# Altium PCB LKS_EVB_MVPOWPRE_V5.0.PcbDoc (part 1 of 2)
Units mil, origin at the board's own origin, x right, y up, seen from the top; angles counter-clockwise.
Board outline 11300 x 7874.02 mil, 2 copper layers (Top Layer, Bottom Layer); 150 components, 96 nets, 404 pads, 334 vias.
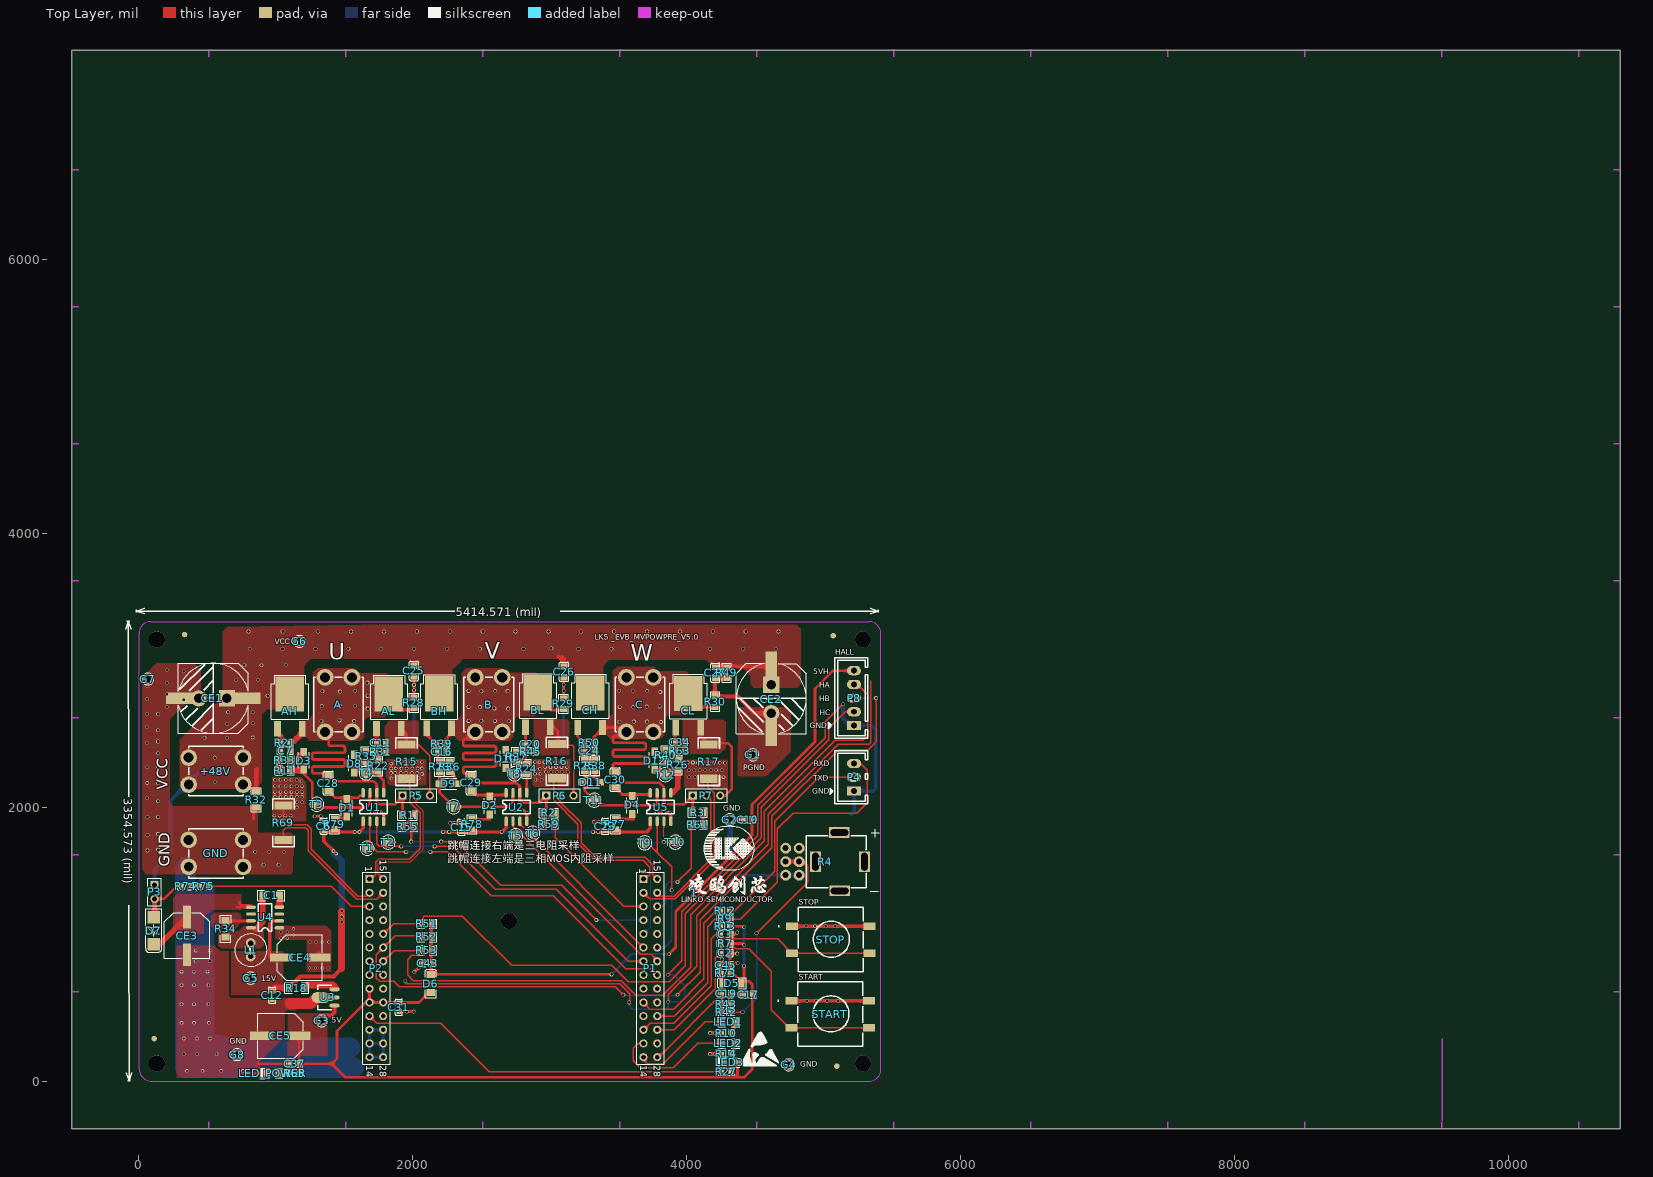
[diagram p0: Top Layer view]
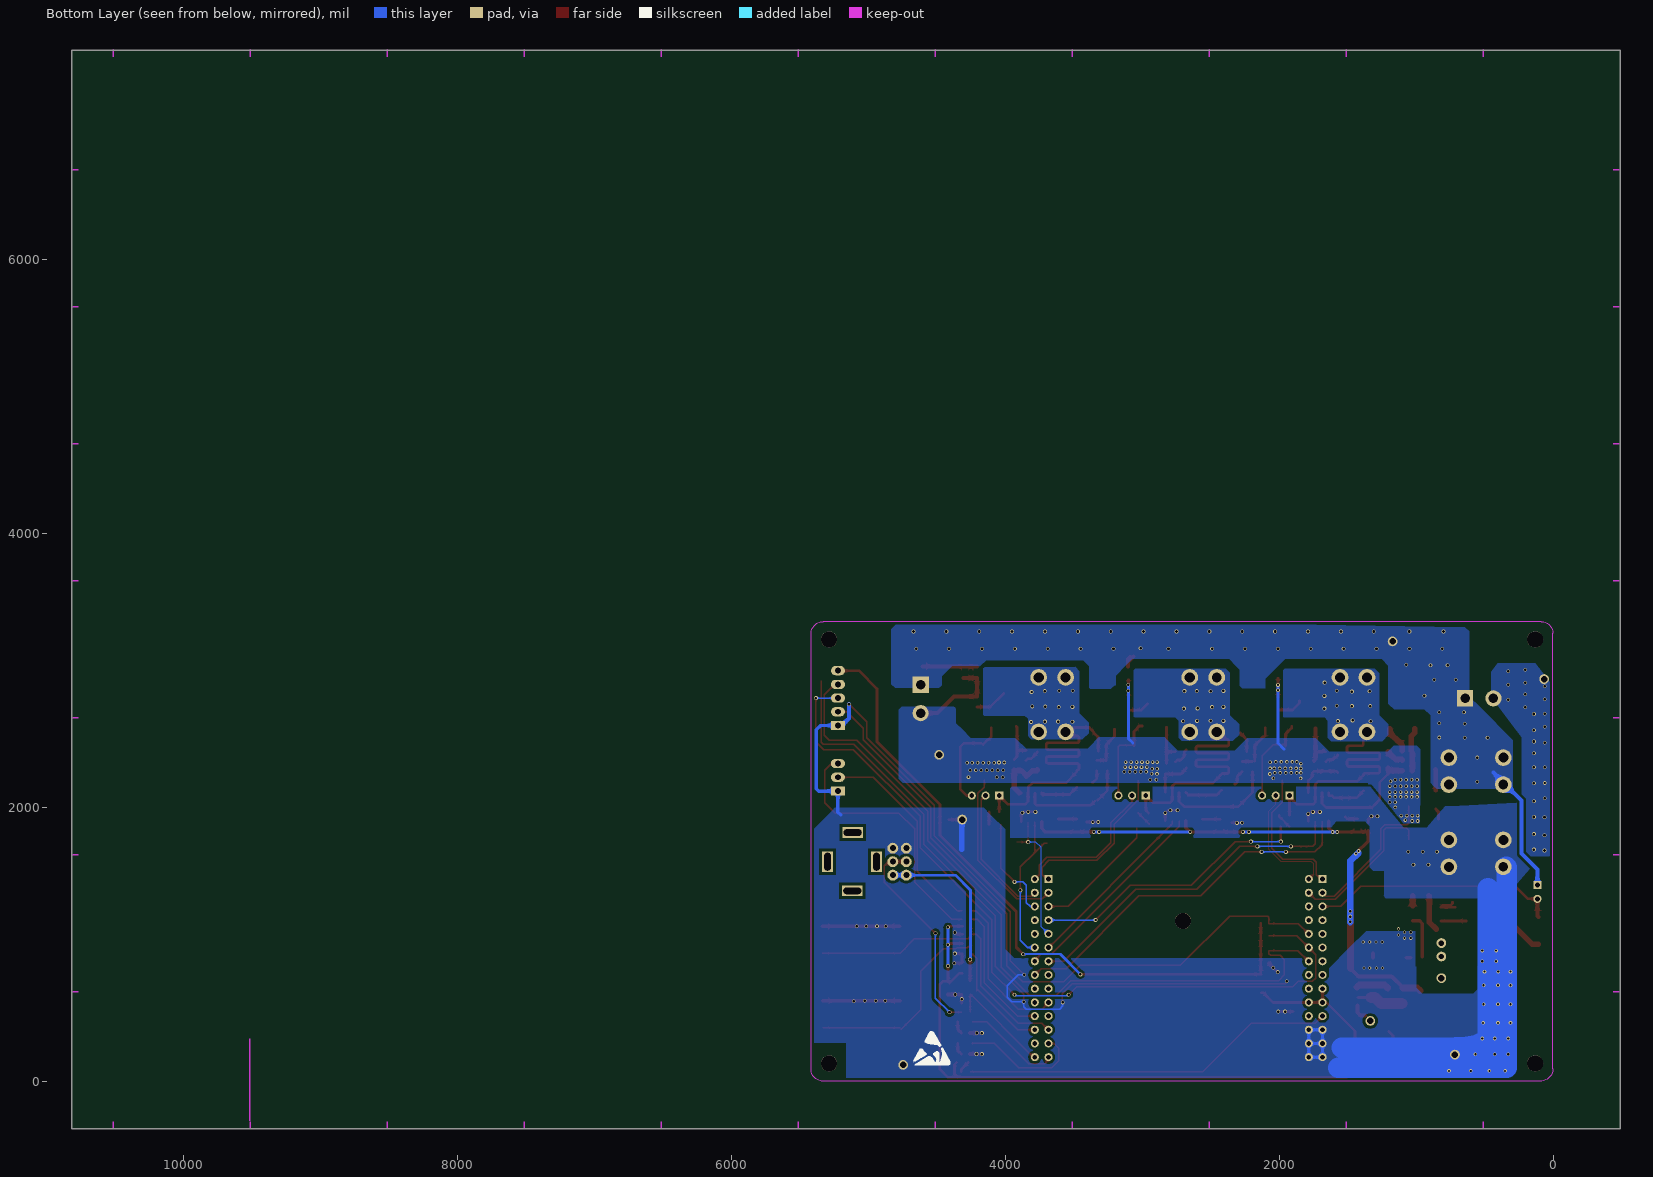
[diagram p1: Bottom Layer view, seen from below]
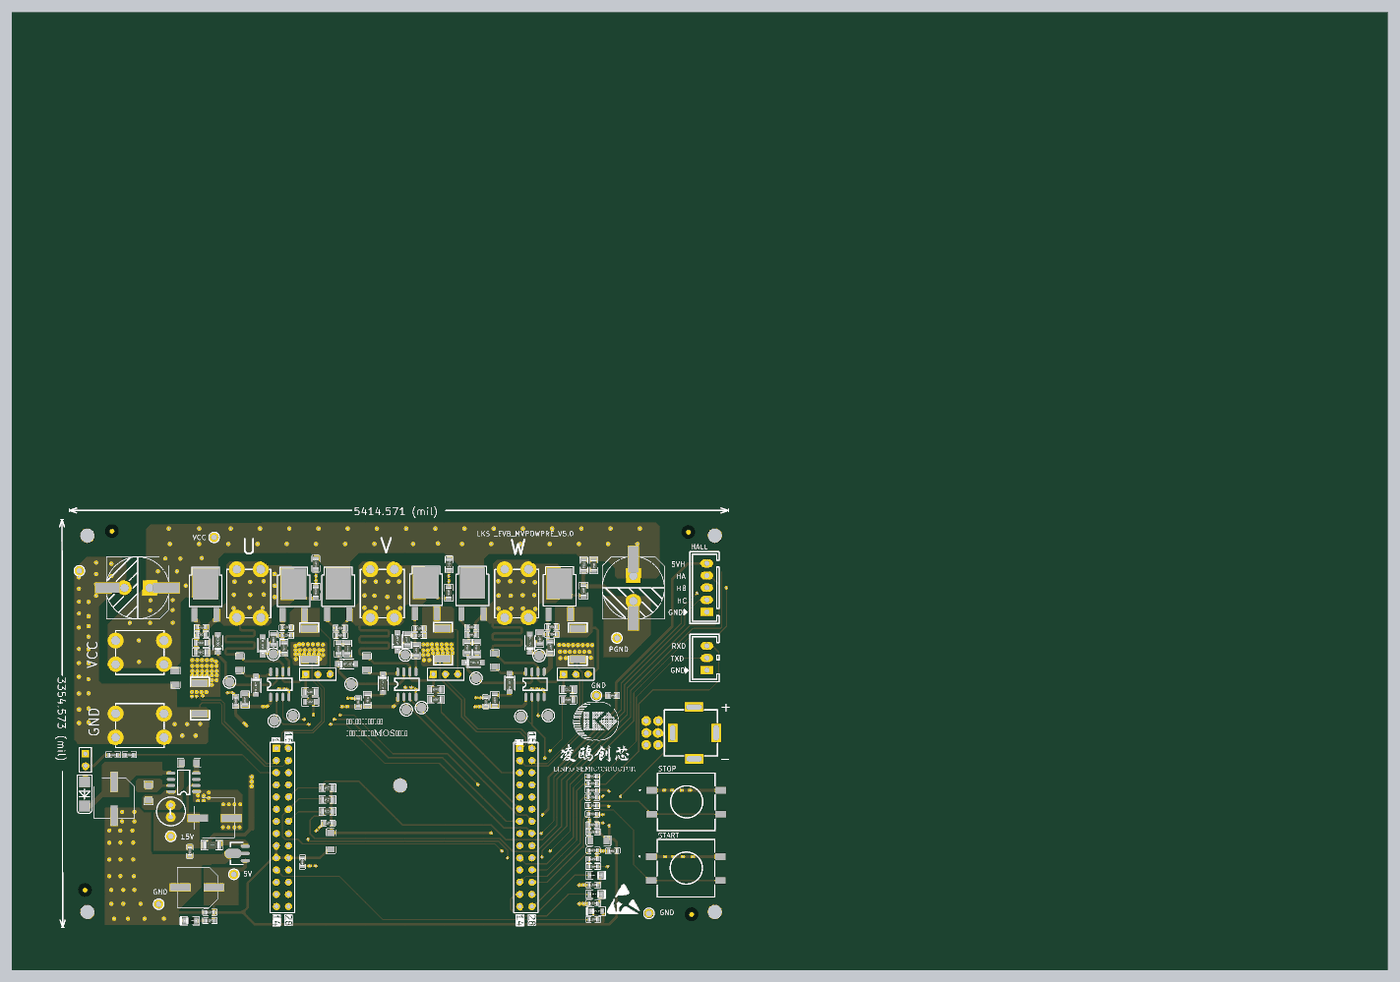
[diagram p3: 3D render of the assembled board from above, using the file's embedded part models]

## Layer stack, top to bottom
Top Solder: solder mask 0.4, Solder Resist, Dk 3.5
Top Layer: signal copper 1.4
Dielectric1: dielectric 12.6, FR-4, Dk 4.8
Bottom Layer: signal copper 1.4
Bottom Solder: solder mask 0.4, Solder Resist, Dk 3.5

## Board outline
-489.2,7526.27 10810.8,7526.27 10810.8,-347.74 -489.2,-347.74

## Design rules (kind name [scope] priority, off if disabled: settings)
Clearance [InPolygon] p1: gap=20 ignorepadtopadclearanceinfootprint=FALSE except(0: Arc-Hole Track-Hole SMDPad-Hole THPad-Hole Via-Hole Fill-Hole Poly-Hole Region-Hole Text-Hole)
Clearance Clearance_48V [InNet('+48V')] p2: gap=30 ignorepadtopadclearanceinfootprint=FALSE except(0: Arc-Hole Track-Hole SMDPad-Hole THPad-Hole Via-Hole Fill-Hole Poly-Hole Region-Hole Text-Hole)
Clearance Clearance_4 [InNet('PGND')] p3 off: gap=20 ignorepadtopadclearanceinfootprint=FALSE except(0: Arc-Hole Track-Hole SMDPad-Hole THPad-Hole Via-Hole Fill-Hole Poly-Hole Region-Hole Text-Hole)
Clearance Clearance_5V [InNet('+5V')] p4 off: gap=20 ignorepadtopadclearanceinfootprint=FALSE except(0: Arc-Hole Track-Hole SMDPad-Hole THPad-Hole Via-Hole Fill-Hole Poly-Hole Region-Hole Text-Hole)
Clearance Clearance_15V [InNet('+15V')] p5: gap=20 ignorepadtopadclearanceinfootprint=FALSE except(0: Arc-Hole Track-Hole SMDPad-Hole THPad-Hole Via-Hole Fill-Hole Poly-Hole Region-Hole Text-Hole)
Clearance Clearance_5 [All] p6: gap=10 ignorepadtopadclearanceinfootprint=FALSE except(0: Arc-Hole Track-Hole SMDPad-Hole THPad-Hole Via-Hole Fill-Hole Poly-Hole Region-Hole Text-Hole)
ComponentClearance [All] p1 off: gap=0 collisioncheckmode=3 verticalgap=0 showdistances=FALSE
FabricationTestpoint [(IsPad And (OnTopLayer Or OnBottomLayer))] p1: side=3 testpointundercomponent=TRUE minsize=40 maxsize=100 preferedsize=60 minholesize=0 maxholesize=40 preferedholesize=32 testpointgrid=1 allowsidetop=TRUE allowsidebottom=TRUE usegrid=TRUE gridtolerance=0.01
HoleSize [All] p1: absolutevalues=TRUE maxlimit=200 minlimit=1 maxpercent=80.000 minpercent=20.000
PlaneConnect [All] p1: planeconnectstyle=Direct reliefexpansion=20 reliefentries=4 reliefconductorwidth=10 reliefairgap=10
PolygonConnect [All] p1: connectstyle=Direct reliefconductorwidth=30 reliefentries=4 polygonreliefangle="90 Angle" airgapwidth=10
RoutingVias [All] p1: holewidth=13.78 width=19.68 viastyle="Through Hole" minholewidth=0 minwidth=19.68 maxholewidth=19.68 maxwidth=39.37
SilkToSolderMaskClearance SilkscreenOverComponentPads [IsPad] p1: minsilkscreentomaskgap=10 clearancetoexposedcopper=TRUE
SolderMaskExpansion [All] p1: expansion=4 istentingtop=FALSE
Width Width_2 [All] p1 off: maxlimit=10 minlimit=10 preferedwidth=10
Width Width_1 [InNet('5V-T')] p2 off: maxlimit=40 minlimit=40 preferedwidth=40
Width Width_VH [InNet('5V1')] p3 off: maxlimit=40 minlimit=40 preferedwidth=40
Width Width_5V [InNet('5V')] p4 off: maxlimit=40 minlimit=40 preferedwidth=40
Width Width_14.3V [InNet('+14.3V')] p5 off: maxlimit=50 minlimit=50 preferedwidth=50
Width Width_15V [InNet('+15V')] p6 off: maxlimit=40 minlimit=40 preferedwidth=40
Width Width_48V [InNet('+48V')] p7 off: maxlimit=40 minlimit=40 preferedwidth=40
Width [All] p8: maxlimit=200 minlimit=1 preferedwidth=40
25 further rules are at their usual default settings.

## Components (designator, comment, footprint, x,y, rotation, side; value= is the part's Value field where it differs from the comment)
1 "LKS_sign" LKS_LOGO2 4052,1375 r0 top
+48V "M4" M4_CONECTOR 362.32,2361.91 r180 top locked
A "M4" M4_CONECTOR 1554.74,2947.17 r90 top
AH "NCE8259AK" TO-252 1100.83,2699.83 r0 top
AL "NCE8259AK" TO-252 1824.46,2700.27 r0 top
B "M4" M4_CONECTOR 2651.89,2947.17 r90 top
BH "NCE8259AK" TO-252 2190.43,2701.83 r0 top
BL "NCE8259AK" TO-252 2911.5,2709.11 r0 top
C "M4" M4_CONECTOR 3754.7,2947.17 r90 top
C1 "1uF/100V" 1206 1025,1355 r180 top value=10uF/100V
C2 "100nF/50V" 0603C 4279.38,935.8 r180 top
C3 "100nF/50V" 0603C 4279,1072.38 r0 top
C6 "100nF/50V" 0603C 1349.35,1861.85 r270 top
C7 "1nF/50V" 0603C 1067.35,2411.48 r0 top
C10 "100nF/10V" 0603C 4443.63,1909.64 r180 top
C11 "1nF/50V" 0603C 1765.67,2469.57 r0 top
C12 "100nF/50V" 0603C 971.91,628.23 r270 top
C15 "100nF/50V" 0603C 2354.32,1854.61 r270 top
C16 "1nF/50V" 0603C 2208.71,2404.53 r0 top
C17 "100nF/50V" 0603C 4447,632.28 r0 top
C19 "100nF/50V" 0603C 4286.37,636.63 r180 top
C20 "1nF/50V" 0603C 2856.37,2461.01 r0 top
C23 "100nF/50V" 0603C 3403.42,1859.96 r270 top
C24 "1nF/50V" 0603C 3287.96,2410.48 r0 top
C25 "100nF/100V" 0805C 2007.32,2994.16 r90 top
C26 "100nF/100V" 0805C 3102.45,2987.49 r90 top
C27 "100nF/100V" 0805C 4208.04,2981.02 r90 top
C28 "10uF/25V" 1206C 1382.65,2175.41 r90 top
C29 "10uF/25V" 1206C 2426.51,2177.17 r90 top
C30 "10uF/25V" 1206C 3477.64,2201.04 r90 top
C31 "100nF/50V" 0603C 1897.23,540.21 r90 top
C34 "1nF/50V" 0603C 3946.98,2474 r0 top
C37 "100nF/50V" 0603C 1136.55,127.54 r0 top
C43 "100nF/50V" 0603C 2109.05,860.11 r0 top value=104
C45 "100nF/50V" 0603C 4281.39,845.92 r180 top value=104
CE1 "220uF/63V" "220UF/63V 12.5*12.5" 643.54,2794.86 r270 top locked
CE2 "220uF/63V" "220UF/63V 12.5*12.5" 4615.51,2894.77 r0 top
CE3 "10UF/100V" "220UF/25V 8*10" 350.56,1061.42 r0 top
CE4 "220uF/25V" "220UF/25V 8*10" 1176,902 r90 top
CE5 "220uF/16V" "220UF/25V 8*10" 1030.55,331.65 r270 top
CH "NCE8259AK" TO-252 3293.7,2707.27 r0 top
CL "NCE8259AK" TO-252 4009.41,2704.65 r0 top
D1 "1N4007/SOD-123" SOD123 1515.74,1995.74 r90 top
D2 "1N4007/SOD-123" SOD123 2558.97,2012.54 r90 top
D3 "1N4007/SOD-123" SOD123 1201.59,2339 r270 top
D4 "1N4007/SOD-123" SOD123 3600.74,2015.98 r90 top
D5 "1N4007" D1206 4263.77,717.72 r0 top
D6 "1N4007" D1206 2131.36,777.78 r270 top
D7 "ES1J" DO-214AC 107.24,1099.38 r270 top
D8 "1N4007/SOD-123" SOD123 1571.43,2317.87 r270 top
D9 "1N4007/SOD-123" SOD123 2258.32,2169.59 r180 top
D10 "1N4007/SOD-123" SOD123 2677.05,2351.93 r270 top
D11 "1N4007/SOD-123" SOD123 3299,2182 r180 top
D12 "1N4007/SOD-123" SOD123 3764.75,2340 r270 top
G1 "PAD1.2" PAD1.2 4480.77,2382.24 r0 top
G2 "PAD1.2" PAD1.2 4312.32,1909.64 r0 top
G3 "PAD1.2" PAD1.2 1333.91,439.87 r0 top
G4 "PAD1.2" PAD1.2 4743.57,118.6 r0 top
G5 "PAD1.2" PAD1.2 815,752.2 r0 top
G6 "PAD1.2" PAD1.2 1171.19,3209.96 r0 top
G7 "PAD1.2" PAD1.2 64.78,2935.27 r0 top
G8 "PAD1.2" PAD1.2 715.92,194.2 r0 top
GND "M4" M4_CONECTOR 362.32,1761.11 r180 top locked
L1 "1mH  6*8" L_DIP_6*8MM 814.94,909.79 r90 top locked
LED1 "LED" SOD323 4300,434 r0 top
LED2 "LED" SOD323 4300,277.89 r0 top
LED3 "LED" SOD323 4314.88,134.7 r180 top
LED_POWER "LED_R" SOD323 978.76,56.48 r180 top
P1 "Header 14X2A" HDR2X14_CEN 3682.62,1475.19 r270 top locked
P2 "Header 14X2A" HDR2X14_CEN 1682.62,1475.19 r270 top locked
P3 "Header 2" HDR1X2 113.86,1430.98 r270 top
P4 "2.54-XH-3A-180" 2.54-XH-3A-180 5219.88,2118.44 r270 top
P5 "Header 3" HDR1X3 1924.05,2084.61 r0 top locked
P6 "Header 3" HDR1X3 2972.79,2084.61 r0 top locked
P7 "Header 3" HDR1X3 4042.39,2084.61 r0 top locked
P8 "Header 5" 2.54-XH-5A-180 5219.52,2796.37 r270 top
R1 "20K 1%" 0805R 1960.48,1940.22 r180 top
R2 "20K 1%" 0805R 2991.11,1958.2 r180 top
R3 "20K 1%" 0805R 4078.34,1960.07 r180 top
R4 "RPot" RK097-W-1 5014.05,1602.13 r270 top value=20K
R7 "10K" 0603R 4279,1005 r180 top
R9 "10R" 0603R 4279,1186.97 r0 top
R10 "5.1K" 0603R 4286.95,351.53 r180 top value=10K
R11 "51R" 0805R 1064,2266 r180 top value=K
R12 "10R" 0603R 4279.38,1242.38 r180 top value=100R
R13 "10K" 0603R 4279,1131.07 r0 top
R14 "5.1K" 0603R 4287,201.8 r180 top value=10K
R15 "0.005R/2512" 2512 1953.12,2455.91 r270 top
R16 "0.005R/2512" 2512 3050.13,2212.58 r90 top
R17 "0.005R/2512" 2512 4159.78,2455.91 r270 top
R18 "10R" 1206R 1151.55,679.32 r0 top value=K
R21 "20K1%" 0603R 1067.35,2469.91 r180 top value=K
R22 "51R" 0805R 1745.67,2301 r270 top value=K
R23 "51R" 0805R 2193.71,2295.93 r90 top value=K
R24 "51R" 0805R 2829.94,2280 r270 top value=K
R25 "51R" 0805R 3253,2304 r90 top value=K
R26 "51R" 0805R 3933,2308 r270 top value=K
R27 "5.1K" 0603R 4287,69 r180 top value=10K
R28 "51K" 0805R 2006.57,2761.64 r270 top value=K
R29 "51K" 0805R 3098.37,2754.95 r270 top value=K
R30 "51K" 0805R 4205.94,2771.18 r270 top value=K
R31 "20K1%" 0603R 1765.67,2405.05 r180 top value=K
R32 "47K" 1206R 856,2054.36 r270 top value=K
R33 "10R" 0805R 1064,2342.59 r180 top value=K
R34 "0.3R" 1206 633,1170 r270 top
R35 "10R" 0805R 1657.59,2370.5 r90 top value=K
R36 "10R" 0805R 2267.71,2295.93 r90 top value=K
R37 "10R" 0805R 2756.51,2368.93 r90 top value=K
R38 "10R" 0805R 3330,2304 r90 top value=K
R39 "20K1%" 0603R 2208.71,2463.73 r180 top value=K
R40 "10R" 0805R 3846.53,2378 r90 top value=K
R42 "10K" 0603R 4286.37,503.95 r180 top value=K
R43 "20K" 0603R 4286.12,563.36 r180 top value=K
R45 "20K1%" 0603R 2858,2403 r180 top value=K
R49 "51K" 0805R 4290.41,2981.02 r270 top value=K
R50 "20K1%" 0603R 3287.96,2471.3 r180 top value=K
R51 "2K" 0805R 2102.27,1149.28 r0 top
R52 "2K" 0805R 2102.27,1052.57 r0 top
R53 "2K" 0805R 2102.27,956.59 r0 top
R55 "20K 1%" 0805R 1961.36,1857.51 r180 top
R59 "20K 1%" 0805R 2992.19,1876.88 r180 top
R61 "20K 1%" 0805R 4079.41,1872.2 r0 top
R63 "20K1%" 0603R 3947,2413 r180 top value=K
R65 "5.1K" 0603R 1136.62,58.99 r180 top value=510R
R69 "0.005R/2512" 2512 1055.03,2009.54 r270 top
R73 "10K" 0603R 4283.13,788.55 r180 top
R74 "20K1%" 0603R 342.59,1422.22 r0 top
R75 "20K1%" 0603R 474.58,1422.18 r0 top
R77 "10R" 0805R 3477.54,1874.89 r90 top
R78 "10R" 0805R 2431.84,1874.57 r90 top
R79 "10R" 0805R 1427,1876.85 r90 top
START "SW-PB" "SW-PB  12*12" 5046.18,487.56 r0 top
STOP "SW-PB" "SW-PB  12*12" 5049.86,1032.41 r0 top
T1 "TestP" TP-80 1665.49,1700.56 r0 top
T2 "TestP" TP-80 1819.68,1744.81 r0 top
T3 "TestP" TP-80 1298.17,2021.23 r0 top
T4 "TestP" TP-80 1657.98,2249.61 r0 top
T5 "TestP" TP-80 2750,1792.49 r0 top
T6 "TestP" TP-80 2875.07,1810.16 r0 top
T7 "TestP" TP-80 2296.9,2003.78 r0 top
T8 "TestP" TP-80 2741.32,2242.5 r0 top
T9 "TestP" TP-80 3691.47,1738.81 r0 top
T10 "TestP" TP-80 3915.86,1745.2 r90 top
T11 "TestP" TP-80 3323.08,2051.79 r0 top
T12 "TestP" TP-80 3841.46,2238 r90 top
U1 "LKS560" SO-8 1638.08,1898.57 r90 top
U2 "LKS560" SO-8 2681.91,1898.57 r90 top
U3 "LM7805" SOT-89 1378.21,611 r90 top
U4 "LKS620" so-8 1024,1122 r180 top
U5 "LKS560" SO-8 3734.03,1898.57 r90 top

## Footprints (in the part's own frame and the unit in brackets; to place one, negate y for a bottom-side part, rotate by r counter-clockwise, add the part's x,y. Pads: shape width x height; smd on the part's side, far side on the other; paste and mask are expansions set on the pad)
2.54-XH-3A-180 [mm]
  rect 1.7x2.6 hole 1.1: 1(0,0)
  oval 1.7x2.6 hole 1.1: 2(-2.54,0) 3(-5.08,0)
  silkscreen extent -7.49,-4.5 2.41,2.54
2.54-XH-5A-180 [mm]
  rect 1.7x2.6 hole 1.1: 1(5.08,0)
  oval 1.7x2.6 hole 1.1: 2(2.54,0) 3(0,0) 4(-2.54,0) 5(-5.08,0)
  silkscreen extent -7.49,-4.78 7.49,2.54
"220UF/25V 8*10" [mm]
  rect 1.5x4.2 smd: 1(0,3.492) 2(0,-3.492)
  silkscreen extent -4.2,-4.13 4.2,4.27
"220UF/63V 12.5*12.5" [mm]
  rect 2.1x5.5 smd: 1(0,3.429)
  rect 3x3 hole 1.778: 1(0,-0.04)
  round 3 hole 1.778: 2(0,-5.3)
  rect 2.1x5 smd: 2(0,-8.867)
  silkscreen extent -6.5,-9.07 6.5,3.93
0603C [mm]
  rect 0.9x0.95 smd: 1(-0.813,0) 2(0.813,0)
  silkscreen extent -1.5,-0.66 1.5,0.66, body extent -0.8,-0.4 0.8,0.4, height 0.45
0603R [mil]
  rect 38x32 smd: 1(-32,0) 2(32,0)
  silkscreen extent -59,-24 59,24, body extent -31,-16 32,16, height 18
0805C [mil]
  rect 46x51.18 smd: 1(-38,0) 2(38,0)
  silkscreen extent -70,-33 70,33, body extent -40,-25 38,25, height 22
0805R [mil]
  rect 46x51.18 smd: 1(-38,0) 2(38,0)
  silkscreen extent -70,-34 70,34, body extent -39,-25 39,25, height 22
1206 [mm]
  rect 1.35x1.45 smd: 1(-0.01,-0.01) 2(2.99,-0.01)
  silkscreen extent -1.02,-1 4,0.98
1206C [mil]
  rect 50x60 smd: 1(-55,0) 2(55,0)
  silkscreen extent -86,-37 86,37
1206R [mil]
  rect 50x60 smd: 1(-55,0) 2(55,0)
  silkscreen extent -88,-39 88,39, body extent -62,-31 64,32, height 24
2512 [mm]
  rect 1.5x3.3 smd: 1(-0.04,-0.01) 2(6.31,-0.01)
  silkscreen extent -1.31,-1.98 7.56,1.96
D1206 [mm]
  rect 1.3x1.6 smd: 1(3.346,-0.04) 2(-0.054,-0.04)
  silkscreen extent -0.97,-1.06 4.26,0.98
DO-214AC [mm]
  rect 2.3x2.3 smd: 1(-2.502,0) 2(2.502,0)
  silkscreen extent -4,-1.51 4,1.52
HDR1X2 [mm] "Connector; Header; 2 Position"
  rect 1.5x1.5 hole 0.9: 1(0,0)
  round 1.5 hole 0.9: 2(2.54,0)
  silkscreen extent -1.27,-1.27 3.81,1.27
HDR1X3 [mm]
  rect 1.5x1.5 hole 0.9: 1(0,0)
  round 1.5 hole 0.9: 2(2.54,0) 3(5.08,0)
  silkscreen extent -1.27,-1.27 6.35,1.27
HDR2X14_CEN [mm] "Connector; Header; 14x2 Position"
  rect 1.5x1.5 hole 0.9: 1(0,0)
  round 1.5 hole 0.9: 2(2.54,0) 3(5.08,0) 4(7.62,0) 5(10.16,0) 6(12.7,0) 7(15.24,0) 8(17.78,0) 9(20.32,0) 10(22.86,0) 11(25.4,0) 12(27.94,0) 13(30.48,0) 14(33.02,0) 15(0,2.54) 16(2.54,2.54) 17(5.08,2.54) 18(7.62,2.54) 19(10.16,2.54) 20(12.7,2.54) 21(15.24,2.54) 22(17.78,2.54) 23(20.32,2.54) 24(22.86,2.54) 25(25.4,2.54) 26(27.94,2.54) 27(30.48,2.54) 28(33.02,2.54)
  silkscreen extent -1.27,-1.27 34.29,3.81
L_DIP_6*8MM [mm]
  round 1.8 hole 1: 1(0,0) 2(2.5,0)
  silkscreen extent -1.8,-3.04 4.2,2.95
LKS_LOGO2 [mil] "标?"
  silkscreen extent 70,167 440,482
M4_CONECTOR [mm] "接?"
  round 3.1 hole 1.9: 1(-10.1,0) 1(-10.1,5) 1(0,0)
  round 3.1 hole 1.8: 1(0,5)
  silkscreen extent -10.1,-2.1 0,7.1
PAD1.2 [mm]
  round 1.8 hole 1.2: 1(0,0)
  silkscreen extent -1.1,-1.1 1.1,1.1
RK097-W-1 [mm] "电?"
  rect 2x3.8 hole 1.2 slot 3.3 at 90 deg: 0(-5.4,2.503) 0(5.4,2.554)
  rect 3.8x2 hole 1.2 slot 3.3 at 0 deg: 0(0,7.15) 0(0,-1.93)
  round 2.032 hole 1.1: 1(2.5,-7.45) 2(-2.5,-7.45) 3(0,-7.45) 4(-2.5,-4.95) 5(0,-4.95) 6(2.5,-4.95)
  silkscreen extent -4.8,-3.65 4.8,7.45
SO-8 [mm]
  oval 1.8x0.61 smd: 1(-0.02,0.05) 2(-0.02,-1.22) 3(-0.02,-2.49) 4(-0.02,-3.76) 5(5.238,-3.76) 6(5.238,-2.49) 7(5.238,-1.22) 8(5.238,0.05)
  silkscreen extent 1.35,-4.4 3.89,0.68
so-8 [mm]
  oval 1.8x0.61 smd: 1(-0.02,0.05) 2(-0.02,-1.22) 3(-0.02,-2.49) 4(-0.02,-3.76) 5(5.238,-3.76) 6(5.238,-2.49) 7(5.238,-1.22) 8(5.238,0.05)
  silkscreen extent 1.35,-4.4 3.89,0.68
SOD123 [mm] "SOD-123; 2 Leads; Body 2.7 x 1.6 mm, (LxW)"
  rect 1.5x1.22 smd: 1(-1.65,0) 2(1.65,0)
  silkscreen extent -1.55,-1.03 1.38,1.02, body extent -1.93,-0.82 1.93,0.87, height 0.92
SOD323 [mil]
  rect 43.31x50 smd: 1(-40,-2) 2(45.63,-2)
  silkscreen extent -72,-37 87,33, body extent -48,-28 54,24, height 39
SOT-89 [mm]
  oval 0.7x1.9 smd: 1(-1.5,-1.25) 3(1.5,-1.25)
  oval 2x3.5 smd: 2(0,1.25)
  oval 0.7x2.1 smd: 2(0,-1.15)
  silkscreen extent -2.3,-0.75 2.3,1.85
"SW-PB  12*12" [mm] "按?"
  rect 2.2x1.397 smd: 1(-7.2,2.5) 2(-7.2,-2.5) 3(7.2,2.5) 4(7.2,-2.5)
  silkscreen extent -9.75,-5.94 6.02,6.06
TO-252 [mm]
  rect 1.25x2.85 smd: 1(-2.3,-3.2) 3(2.3,-3.2)
  rect 5.3x6.5 smd: 2(0,3.2)
  silkscreen extent -3.4,-1.5 3.4,6.71
TP-80 [mil]
  round 80 smd: 1(-0.39,0.39)
  silkscreen extent -51,-51 51,51

## Part data
+48V A B C GND: library part Socket, "Socket", LatestRevisionDate=17-Jul-2002, LatestRevisionNote="Re-released for DXP Platform.", Publisher="Altium Limited"
AH AL BH BL CH CL: library part MOS
C1 C43 C45: library part Cap, "Capacitor", LatestRevisionDate=17-Jul-2002, LatestRevisionNote="Re-released for DXP Platform.", PackageDescription="Radial Cap, Thru-Hole; 2 Leads; 0.3 in Pin Spacing", PackageReference=RAD-0.3, Published=8-Jun-2000, Publisher="Altium Limited"
C2 C3 C7 C10 C11 C12 C16 C20 C24 C25 C26 C27 C34: library part CAP, "Capacitor"
C6 C15 C17 C19 C23 C31 C37: library part C, "Capacitor"
C28 C29 C30: library part Capacitor, "Capacitor --贴片电容"
CE1 CE2 CE3 CE4 CE5: library part "Capacitor Pol", "Capacitor---电解电容"
D1 D2 D3 D4 D7 D8 D9 D10 D11 D12: library part Diode, "Default Diode", PackageDocument=Sep-1996, Code_JEDEC=DO-214-AB, LatestRevisionDate=17-Jul-2002, LatestRevisionNote="Re-released for DXP Platform.", PackageReference=SMC, Published=8-Jun-2000, Publisher="Altium Limited"
D5 D6: library part "Diode 1N4007", "1 Amp General Purpose Rectifier", Code_JEDEC=DO-204-AL, ComponentLink1Description="Manufacturer Link", ComponentLink1URL=http://www.fairchildsemi.com/, ComponentLink2Description=Datasheet, ComponentLink2URL=http://www.fairchildsemi.com/ds/1N%2F1N4001.pdf, DatasheetVersion=1998, LatestRevisionDate=17-Jul-2002, LatestRevisionNote="Re-released for DXP Platform.", PackageDescription="Diode, Axial; Body 5.2 x 2.7 mm (LxDia. max), Lead Dia. 0.86 mm (max)", PackageReference=DO-41, PackageVersion=Aug-1999, Published=8-Jun-2000, Publisher="Altium Limited"
G1 G2 G3 G4 G5 G6 G7 G8: library part CON1, "Connector"
L1: library part L
LED_POWER: library part LED
P1 P2: "Header, 14-Pin, Dual row", LatestRevisionDate=17-Jul-2002, LatestRevisionNote="Re-released for DXP Platform.", Publisher="Altium Limited"
P3: "Header, 2-Pin", LatestRevisionDate=17-Jul-2002, LatestRevisionNote="Re-released for DXP Platform.", Publisher="Altium Limited"
P4: library part "Header 3", "Header, 3-Pin", LatestRevisionDate=17-Jul-2002, LatestRevisionNote="Re-released for DXP Platform.", Publisher="Altium Limited"
P5 P6 P7: "Header, 3-Pin", LatestRevisionDate=17-Jul-2002, LatestRevisionNote="Re-released for DXP Platform.", Publisher="Altium Limited"
P8: "Header, 5-Pin", LatestRevisionDate=17-Jul-2002, LatestRevisionNote="Re-released for DXP Platform.", Publisher="Altium Limited"
R1 R2 R3 R51 R52 R53 R55 R59 R61: library part RES/1
R4: "Potentiometer", LatestRevisionDate=17-Jul-2002, LatestRevisionNote="Re-released for DXP Platform.", PackageDescription="Variable Resistor, Thru-Hole; 3 Leads", PackageReference=VR5, Published=8-Jun-2000, Publisher="Altium Limited", Set Position=0.5, Sim Note="Enter the Resistance value and the set point into parameter fields."
R7 R9 R10 R12 R13 R14 R27 R34 R65 R73: library part Res2, "Resistor", LatestRevisionDate=17-Jul-2002, LatestRevisionNote="Re-released for DXP Platform.", Published=8-Jun-2000, Publisher="Altium Limited"
  R7 R10 R13 R14 R27: PackageReference=AXIAL-0.4
  R9 R12: PackageReference=0603R
  R34 R73: PackageDescription="Axial Device, Thru-Hole; 2 Leads; 0.4 in Pin Spacing", PackageReference=AXIAL-0.4
  R65: PackageDescription="Axial Device, Thru-Hole; 2 Leads; 0.4 in Pin Spacing", PackageReference=0603R
R11 R18 R21 R22 R23 R24 R25 R26 R31 R32 R33 R39 R42 R43 R45 R50 R63: library part Res, "Resistor", LatestRevisionDate=17-Jul-2002, LatestRevisionNote="Re-released for DXP Platform.", PackageDescription="Axial Device, Thru-Hole; 2 Leads; 0.4 in Pin Spacing", PackageReference=AXIAL-0.4, Published=8-Jun-2000, Publisher="Altium Limited"
R15 R16 R17 R69 R77 R78 R79: library part RES2短
R28 R29 R30 R35 R36 R37 R38 R40 R49: library part 1Res, "Resistor", LatestRevisionDate=17-Jul-2002, LatestRevisionNote="Re-released for DXP Platform.", PackageDescription="Axial Device, Thru-Hole; 2 Leads; 0.4 in Pin Spacing", PackageReference=AXIAL-0.4, Published=8-Jun-2000, Publisher="Altium Limited"
R74 R75: library part R
START STOP: "Switch", LatestRevisionDate=17-Jul-2002, LatestRevisionNote="Re-released for DXP Platform.", PackageDescription="Switch; 2 Leads", PackageReference=SPST-2, Published=24-Mar-1999, Publisher="Altium Limited"
U1 U2 U5: library part IRS2003S
U3: library part VOL-78

## Free pads (board coordinates)
  round 39.37 / inner round 0 / far side round 0 all layers, no hole: 1(111.08,310.73) 3(332.8,3260) 3(5067.77,3252.1) 4(5094.33,109.23)
  round 118.11 hole 118.11: 3(130,130) 3(130,3224.57) 3(2700,1170) 3(5284.57,130) 3(5284.57,3224.57)

## Via types
v1: diameter 26, hole 16, Top Layer to Bottom Layer, 130 vias
v2: diameter 28, hole 18, Top Layer to Bottom Layer, 77 vias
v3: diameter 26, hole 18, Top Layer to Bottom Layer, 55 vias
v4: diameter 28, hole 20, Top Layer to Bottom Layer, 54 vias
v5: diameter 23.62, hole 15.75, Top Layer to Bottom Layer, 14 vias
v6: diameter 27.99, hole 20, Top Layer to Bottom Layer, 4 vias

## Nets (pads, with @x,y where several pads share a name; then routed paths per layer and width w, separated by ;. In a path a pad name is that pad's centre, name@x,y a point inside that pad or via, vN(x,y) a via of type N, cw(c..) or ccw(c..) an arc to the next point about the centre after c; other vN are vias at no path point)
5V-T: C45.2 D5.2 R4.1 R4.6 R73.2 | length 1259.6
  Top Layer w20: 4255.12,805.62 4255.12,862.09 v4(4255.13,888.46) ; D5.2@4255.58,732.07 4255.58,805.16
  Bottom Layer w20: 4252.08,902.66 4252.08,1393.58 4362.21,1503.71 R4.6@4819.17,1503.71
5VH: C10.1 C43.2 D6.2 P8.5 R51.2 R52.2 R53.2 | length 4885
  Top Layer w20: D6.2@2129.79,779.9 v2@3449.45,779.9 ; R52.2@2132.91,1062.49 R52.2@2133.12,1062.49 ; D6.2@2133.12,783.23 R51.2@2133.12,1150.16 ; v2(3867.8,927.09) 3918.11,977.4 3918.11,1237.69 4475.51,1795.09 4475.51,2019.09 4934.05,2477.63 4934.05,2863.94 5066.48,2996.37 P8.5@5219.52,2996.37
  Bottom Layer w15: 3596.72,927.09 v2(3867.8,927.09)
  Bottom Layer w20: v2(3449.45,779.82) 3596.72,927.09
+5V: C17.2 C31.2 C37.2 CE5.1 D5.1 D6.1 G3.1 LED3.1 P2.9 P2.10 P2.24 R7.1 R13.2 R65.1 R73.1 U3.1 | length 6539.5
  Top Layer w20: C37.2@1168.55,127.54 C37.2@1168.55,127.54 ; R65.1@1168.62,58.99 C37.2@1168.55,127.54 ; 1199.3,362.9 CE5.1@1168.05,331.65 1168.62,331.08 C37.2@1168.55,127.54 ; P2.9@1682.62,675.19 P2.10@1682.62,575.19 ; D6.1@2129.79,646.05 2114.3,646.05 2043.45,575.19 P2.24@1782.62,575.19 P2.10@1682.62,575.19 ; R13.2@4308.38,1131.07 4407.81,1131.07 v3(4416.42,1122.46) ; R7.1@4311,1005 4406.49,1005 v3@4415.95,995.54 ; R73.1@4312.48,788.56 4332.94,788.56 D5.1@4405.44,716.06 ; LED3.1@4354.88,136.7 4369,122.58 4369,51.16 4345.84,28 ; D5.1@4402.56,729.63 4453.82,729.63 4476.45,707 4476.45,88.56 4415.89,28 4345.84,28 ; D5.1@4405.54,716.1 4415.89,726.44 v4(4415.89,841.54) ; C37.2@1168.55,127.54 1406.79,127.54 ; 1406.79,127.54 1445.55,166.3 1445.55,366.07 1654.67,575.19 P2.10@1682.62,575.19 ; 1406.79,127.54 1506.33,28 4345.84,28
  Top Layer w30: 1373.44,479.4 1406.79,479.4 1427.43,500.03 U3.1@1427.43,551.94
  Bottom Layer w20: v4@4415.95,841.61 v3@4415.95,995.54 ; v3(4416.41,996.39) v3(4416.42,1122.46)
+15V: C6.2 C12.1 C15.2 C23.2 CE4.1 G5.1 L1.1 R18.1 R77.1 R78.1 R79.1 U1.1 U2.1 U4.2 U5.1 | length 5239.7
  Top Layer w24: 954,909 954,1151 973.03,1170.03 U4.2@1024.79,1170.03 ; CE4.1@1038.5,902 CE4.1@1073.8,902 ; C6.2@1349.35,1829.85 1349.35,1751.73 v1@1438.52,1662.57 ; 1478.54,822.23 1480.06,823.76 v2(1480.06,1163.16) v2(1480.06,1201.16) v4(1480.06,1240.63)
  Top Layer w25: C6.2@1349.35,1819.04 v1(1574.74,1819.04) v1(1608.62,1819.04) 1636.11,1846.53 U1.1@1636.11,1897.79 ; v2(2220.32,1819.04) v2(2648.16,1819.04) 2679.94,1850.81 U2.1@2679.94,1901 ; v2@3314.81,1819.04 3704.88,1819.04 3732.06,1846.21 U5.1@3732.06,1894.22
  Top Layer w30: R18.1@1096.56,679.32 1096.56,684.32 1177.24,765 1421.31,765 1478.54,822.23
  Top Layer w50: C12.1@971.91,660.23 991,679.32 R18.1@1096.56,679.32 ; 1478.54,822.23 v4@1478.54,1241.5
  Bottom Layer w24: v2@1480.06,1162.5 v2(1480.06,1163.16)
  Bottom Layer w25: v1@1580,1819.04 v2(2263.12,1819.04) ; v2(2648.16,1819.04) v2@3352.21,1819.04
  Bottom Layer w50: 1421.57,1666.77 1480.06,1608.28 v4(1480.06,1240.63) v2(1480.06,1201.16) v2(1480.06,1163.16)
  other v1: 1438.66,1661.06 1418.83,1680.21
  other v2: 3313.38,1819.04 3352.14,1819.04
+48V: +48V.1 AH.2 BH.2 C25.2 C26.2 C27.2 CE1.1 CE2.1 CH.2 G6.1 P3.1 R32.1 R49.1 | length 1643.9
  Top Layer w30: R32.1@856,2121.86 856,2273.43 859.25,2276.68 ; 3061.95,3100.35 3102,3060.3 3102.45,3060.3 ; 3088.36,3095.81 3102.45,3081.71 3102.45,3060.3 ; C26.2@3102.45,3025.49 3102.45,3060.3 ; C27.2@4203.92,3028.04 CE2.1@4602.93,3028.04
  Bottom Layer w30: P3.1@113.86,1430.98 113.86,1544.69 230.14,1660.97 230.14,2047.73 435.6,2253.2
  other v3: 554.58,2187.07 553.03,2362.5 478.11,2507.09 645.5,2507.09 832,2508.69 645.5,2609.64 829.77,2612.24 650,2692.37 831.35,2694.28 938.25,2813.07 710,2930.83 865.63,2930.83 894.3,3035.2 770,3036.41 1070.11,3039.95
  other v4: 808.16,3156.11 1048.16,3156.11 1288.16,3156.11 1528.16,3156.11 1768.16,3156.11 2008.16,3156.11 2248.16,3156.11 2488.16,3156.11 2806.33,3156.11 3208.16,3156.11 3448.16,3156.11 3688.16,3156.11 3928.16,3156.11 4168.16,3156.11 4408.16,3156.11 4648.16,3156.11 3010,3160 799.19,3282.46 1048.6,3282.46 1308.42,3282.46 1548.42,3282.46 1788.42,3282.46 2028.42,3282.46 2268.42,3282.46 2508.42,3282.46 2748.42,3282.46 2988.42,3282.46 3228.42,3282.46 3468.42,3282.46 3708.42,3282.46 3948.42,3282.46 4188.42,3282.46 4428.42,3282.46 4668.42,3282.46
DM_IN: D7.1 P3.2 R74.1 | length 370.4
  Top Layer w20: P3.2@113.86,1330.98 183.12,1330.98 274.35,1422.22 R74.1@310.59,1422.22
  Top Layer w30: D7.1@107.24,1197.88 113.86,1204.5 P3.2@113.86,1330.98
GND: C2.1 C3.2 C6.1 C10.2 C12.2 C15.1 C17.1 C19.1 C23.1 C31.1 C37.1 C43.1 C45.1 CE1.2 CE3.2 CE4.2 CE5.2 G2.1 G4.1 G7.1 G8.1 GND.1 LED_POWER.2 P2.12 P2.13 P2.14 P2.16 P2.26 P2.27 P2.28 P4.1 P8.1 R4.2 R4.4 R10.2 R14.2 R32.2 R43.1 R69.2 START.1 START.3 STOP.1 STOP.3 U1.4 U2.4 U3.2 U4.1 U5.4 | length 19842.3
  Top Layer w10: R69.2@1054.64,1761.11 1054.64,1832.63 1072.52,1850.51 1217.31,1850.51 1235.76,1832.05 1235.76,1682.09 1589.52,1328.33 1735.76,1328.33 P2.16@1782.62,1375.19 ; v3(1942.74,729.66) 1942.74,718.48 1949.5,711.73 3509.69,711.73 3582.66,638.75 v3@3582.66,572.57 ; v3(3859.2,776.31) 3961.69,878.81 3961.69,1237.48 4516.95,1792.74 4516.95,2012.54 5010,2505.59 5010,2622.82 v4@5138.84,2751.66 ; v3(3864.62,580.26) 3864.62,632.74 4070,838.12 4070,1207 4593,1730 4593,1948 5106,2461 5327.99,2461 5340,2473.01 5340,2922.93
  Top Layer w20: 831.35,60 832.87,58.48 LED_POWER.2@933.13,58.48 ; 836.24,1911.43 836.24,1967.1 R32.2@856,1986.86 ; 868.05,131.93 872.44,127.54 C37.1@1104.55,127.54 ; v2(1282.09,1933.47) v2(1325.44,1933.47) 1348.2,1910.71 C6.1@1348.2,1887.66 ; U3.2@1329,611 U3.2@1423.49,611 ; v2(1702.01,1965.69) 1770.94,1965.69 v2(1786.11,1950.51) U1.4@1786.11,1897.79 ; C31.1@1897.23,508.21 v2(2006.22,508.21) ; v2(2269.68,1886.33) C15.1@2344.24,1886.33 ; v2(2740.57,1977.18) 2811.3,1977.18 v2(2829.94,1958.55) U2.4@2829.94,1901 ; v1(3319.66,1891.97) C23.1@3403.42,1891.96 ; v2(3778.72,1965.78) 3864.28,1965.78 3882.06,1948 U5.4@3882.06,1894.22 ; C3.2@4310.5,1072.38 4353.38,1072.38 v4(4367,1086) ; G2.1@4312.32,1909.64 4313.28,1908.68 C10.2@4410.13,1908.68 ; C45.1@4313.46,862.8 4313.46,931.1 v2(4365.78,931.1) ; C45.1@4314.18,862.09 v3(4369.37,862.09) ; R43.1@4315.92,570.97 v2(4315.92,599.71) C19.1@4315.92,634.86 ; C19.1@4316.99,632.28 v4(4363,632.28)
  Top Layer w25: v3@2008.61,795.29 C43.1@2074.06,860.75 ; START.1@4762.71,585.99 4899.12,585.99 START.3@5329.63,585.98 ; STOP.1@4766.4,1130.83 STOP.3@5333.33,1130.83
  Top Layer w30: CE4.2@1313.5,902 CE4.2@1313.5,931.5 ; v6(4169,197.25) R14.2@4254.95,197.25 ; v6(4169,350.7) 4169.83,351.53 R10.2@4254.95,351.53 ; v4(4363,632.28) C17.1@4415,632.28
  Top Layer w80: 1100.87,566.16 1255.89,566.16 1300.73,611 U3.2@1329,611
  Bottom Layer w10: v3@3579.29,574.15 3579.29,548.83 3601.63,526.49 3846.41,526.49 3864.28,544.36 v3@3864.28,579.61 ; v3@3858.69,776.44 3904.57,776.44 3983.76,697.25 3983.76,614.23 3949.9,580.37 v3@3864.7,580.37
  Bottom Layer w20: P2.13@1682.62,275.19 P2.27@1782.62,275.19 ; P2.14@1682.62,175.19 P2.12@1682.62,375.19 P2.26@1782.62,375.19 P2.28@1782.62,175.19 P2.14@1682.62,175.19
  Bottom Layer w25: 5200,1943.56 5219.88,1963.44 P4.1@5219.88,2117.85 ; P8.1@5219.52,2596.37 5345.51,2596.37 5377.09,2564.79 5377.09,2134.9 5360.04,2117.85 P4.1@5219.88,2117.85 ; P4.1@5219.8,2117.85 P4.1@5219.88,2117.85 ; P4.1@5219.88,2118.44 P4.1@5219.88,2117.85
  Bottom Layer w30: v4@5138.66,2751.66 5138.66,2648.37 P8.1@5189.08,2597.94
  Bottom Layer w40: 4314.35,1694.42 G2.1@4314.35,1911.41
  Bottom Layer w150: GND.1@342.32,1564.71 338.97,1561.36 338.97,98.21 1568,98.21 ; 350.99,244.93 541.21,244.93 ; 474.58,1406.44 474.58,311.55 541.21,244.93 ; 1541.62,244.93 541.21,244.93
  other v1: 350,75 463.89,75 600,75 759.23,75 327.22,197.25 425,197.25 566.95,197.25 327.22,311.55 425,311.55 516.21,311.55 310.59,425 401.59,425 510.8,425 310.59,561.37 401.59,561.37 506.58,561.37 310.59,700 401.59,700 506.61,700 310.59,800 400,800 499.94,800 415.58,875 515.91,875 415.58,953.1 516.21,953.1 3359.82,1891.52
  other v2: 1956,508.21 2307.03,1885.62 3873.41,1958.93 1753.14,1965.69 3830.06,1965.78 2792.48,1977.18
  other v3: 3580.11,574.51 5104.02,583.18 4874.72,585.84 4943.83,585.84 5023.04,585.84 2010.24,796.78 2040.6,828.33 4869.55,1129.94 4934.48,1129.94 5012.25,1129.95 5080.77,1129.94 847.07,1674.19 950,1674.19 1056.92,1675.59 139,2044.37 60.47,2063.82 60.47,2176.54 139,2290 60.47,2292.62 139,2393.16 60.47,2468.95 60.47,2586.13 60.47,2682.11 202.22,2730.11 327.22,2784.79 60.47,2788.14 202.22,2823.85 60.47,2881.88 327.22,2893.05 202.22,2908.67 327.22,2993.51 202.22,3002.41
  other v4: 910,1580 1019.38,1580 61.47,1683.32 140,1690 61.47,1795.07 140,1803.27 61.47,1926.24 140,1928.21 140,2175.26 140,2480 140,2561.24 140,2680 5138.76,2751.66
  other v5: 1289,826 1338.5,826 1380,826 1244,826.57 1247,1015 1292.15,1015 1338.5,1015 1386,1015 1038.5,1044 1084.98,1044 1128,1067.35 1038.5,1087.42 1084.98,1087.42 1128,1112
  other v6: 4208,198.8 4207,351.53
HALL_U: P2.8
HALL_V: P2.7
HALL_W: P2.6
HU: P2.21 P8.4 R53.1 | length 5575.8
  Top Layer w10: P2.21@1783.24,874.69 1862.37,953.81 2074.06,953.81 2074.06,930.07 2062.2,918.21 1991.29,918.21 1960.02,886.95 1960.02,775.5 2000.64,734.88 3518.8,734.88 3626.81,626.87 3821.87,626.87 4026,831 4026,1216 4564,1754 4564,1969 5084,2489 5283.57,2489 5319.52,2524.94 5319.52,2819.44 5242.59,2896.37 P8.4@5219.52,2896.37
HV: P2.20 P8.3 R52.1 | length 5877.7
  Top Layer w10: R52.1@2073.85,1062.49 1871.04,1062.49 1731.75,923.2 1731.75,752.2 1756.2,727.75 1860.89,727.75 1898.63,690 3477.13,690 v2@3536.47,630.67 ; v2(3930.79,630.67) 4095.34,795.22 4095.34,1178.11 4619.51,1702.28 4619.51,1932.51 5107,2420 5322.74,2420 5380,2477.26 v2(5380,2796.37)
  Bottom Layer w10: v2@3536.47,630.67 3542.13,625 3925.12,625 v2(3930.79,630.67) ; P8.3@5219.52,2796.37 v2(5380,2796.37)
  other v2: 3535.68,631.45
HW: P2.19 P8.2 R51.1 | length 4932.8
  Top Layer w10: P2.19@1783.24,1074.69 1859.19,1150.64 2073.59,1150.64 2073.59,1195.63 2083.15,1205.19 2359.39,1205.19 2719.28,845.3 3449.15,845.3 3569.6,724.85 3869.04,724.85 3987.33,843.14 3987.33,1222.33 4542.37,1777.37 4542.37,1997.86 5036.62,2492.12 5036.62,2576.1 5156.89,2696.37 P8.2@5219.52,2696.37
LED1: LED1.1 P1.14 | length 713.8
  Top Layer w10: P1.14@3682.62,175.19 3682.62,154.77 3710.41,126.97 3827.32,126.97 4133.48,433.13 4237.69,433.13
LED2: LED2.1 P1.13 | length 907.5
  Top Layer w10: P1.13@3682.62,275.19 3644.69,275.19 3609.14,239.64 3609.14,148.67 3660.52,97.29 3900.8,97.29 4080.15,276.64 LED2.1@4241.91,276.64
LED3: P2.11 R27.2 | length 2741.2
  Top Layer w10: P2.11@1683.02,475.8 1736.23,422.59 2201.17,422.59 2555.65,68.1 4254.1,68.1 R27.2@4255,69
NetAH_1: AH.1 C7.1 R11.2 R21.2 R33.2 | length 306.8
  Top Layer w20: R21.2@1034.67,2469.24 R21.2@1035.35,2469.91
  Top Layer w40: AH.1@1010.28,2573.85 1010.28,2542.35 1035.35,2517.29 C7.1@1035.35,2411.48 ; R11.2@1026,2266 R33.2@1026,2342.59 C7.1@1026,2399.11
NetAL_1: AL.1 C11.1 R22.1 R31.2 R35.2 | length 317.7
  Top Layer w20: R35.2@1657.98,2405.05 R31.2@1733.67,2405.05 ; R35.2@1672.96,2416.77 R35.2@1672.96,2418.63
  Top Layer w30: AL.1@1733.91,2574.29 1733.91,2469.57 1733.91,2405.05 1733.91,2350.77 R22.1@1745.67,2339
NetBH_1: BH.1 C16.1 R23.2 R36.2 R39.2 | length 351.8
  Top Layer w20: BH.1@2100.19,2578.95 2100.19,2527.52 R39.2@2177.12,2450.59 ; R23.2@2177.31,2336.15 R39.2@2177.31,2453.7 ; R23.2@2193.71,2333.93 R36.2@2267.71,2333.93
NetBL_1: BL.1 C20.1 R24.1 R37.2 R45.2 | length 336.3
  Top Layer w20: R37.2@2756.51,2406.93 2758.47,2404.97 R45.2@2820.94,2404.97 ; R24.1@2820.94,2318 R45.2@2820.94,2404.97 ; BL.1@2820.95,2583.13 2820.95,2515.64 2820.94,2471 R45.2@2820.94,2404.97 ; R45.2@2826,2403 2824.03,2404.97 R45.2@2820.94,2404.97
NetC1_1: C1.1 U4.4 | length 76.4
  Top Layer w40: U4.4@1025.39,1279 C1.1@1025.39,1355.39
NetC1_2: C1.2 L1.2 R34.2 U4.8 | length 269.3
  Top Layer w40: 852,1109 902,1159 902,1350.11 C1.2@907.28,1355.39
NetC24_1: C24.1 CH.1 R25.2 R38.2 R50.2 | length 323.8
  Top Layer w20: CH.1@3201.67,2568.27 3201.67,2517.09 3261.51,2457.25 3261.51,2338.97 3264.54,2342 R38.2@3330,2342
NetC28_1: C28.1 D1.2 U1.8 | length 301.9
  Top Layer w20: C28.1@1382.65,2120.41 1435.06,2068 1599.33,2068 1614.7,2083.37 1634.26,2083.37 1636.11,2085.22 U1.8@1636.11,2104.79
NetC29_1: C29.1 D2.2 U2.8 | length 282.6
  Top Layer w20: C29.1@2420.35,2124.39 2456.34,2088.4 2660.35,2088.4 U2.8@2679.94,2108
NetC30_1: C30.1 D4.2 U5.8 | length 287.4
  Top Layer w20: C30.1@3476.64,2144.31 3527.96,2093 3730.21,2093 3732.06,2094.85 U5.8@3732.06,2104.79
NetC34_1: C34.1 CL.1 R26.1 R40.2 R63.2 | length 324.5
  Top Layer w20: R40.2@3846.53,2416 3848.03,2414.5 R63.2@3911.89,2414.5 ; R63.2@3915,2413 3913.5,2414.5 R63.2@3911.89,2414.5 ; CL.1@3918.48,2589.33 3911.89,2582.74 3911.89,2478 R63.2@3911.89,2414.5 ; R26.1@3933,2346 3911.89,2367.11 R63.2@3911.89,2414.5
NetCE3_1: CE3.1 D7.2 U4.5 | length 530.5
  Top Layer w20: 715.95,1270.03 U4.5@817.79,1270.03 805.82,1282 750.03,1282 734,1298.03 734,1306
  Top Layer w40: D7.2@107.24,1000.88 152.52,1000.88 CE3.1@350.56,1198.92
NetD1_1: D1.1 R79.2 | length 96.5
  Top Layer w20: R79.2@1427,1914.85 1501.72,1914.85 1515.74,1928.87 D1.1@1515.74,1930.78
NetD2_1: D2.1 R78.2 | length 130.2
  Top Layer w20: R78.2@2431.04,1912.51 2561.27,1912.51
NetD3_1: D3.1 R33.1 | length 162.7
  Top Layer w20: R33.1@1105.35,2340.09 R33.1@1110.71,2345.46 ; D3.1@1189.39,2392.94 1203.41,2406.95 D3.1@1203.41,2412.46
  Top Layer w40: R33.1@1102,2342.59 1102,2345.18 1105,2348.18 1151.33,2348.18 1201.59,2398.45 D3.1@1201.59,2403.96
NetD4_1: D4.1 R77.2 | length 135.2
  Top Layer w20: R77.2@3477.26,1913.68 3612.44,1913.68
NetD8_1: D8.1 R35.1 | length 110.2
  Top Layer w20: D8.1@1571.43,2382.83 1571.43,2377.32 1585.44,2363.3 1590.95,2363.3 1608.75,2345.5 1644.59,2345.5 R35.1@1657.59,2332.5
NetD9_1: D9.1 R36.1 | length 115.6
  Top Layer w20: R36.1@2267.71,2257.93 2270.3,2257.93 2304.63,2223.61 2304.63,2183.61 2318.65,2169.59 D9.1@2323.28,2169.59
NetD10_1: D10.1 R37.1 | length 134.3
  Top Layer w20: D10.1@2677.05,2416.89 2691.06,2402.88 2691.06,2370.01 2717.14,2343.93 2743.51,2343.93 R37.1@2756.51,2330.93
NetD11_1: D11.1 R38.1 | length 101.3
  Top Layer w20: R38.1@3330,2266 3330,2210.45 3358.45,2182 D11.1@3363.96,2182
NetD12_1: D12.1 R40.1 | length 111.9
  Top Layer w20: D12.1@3764.75,2404.96 3764.75,2399.45 3811.2,2353 3833.53,2353 R40.1@3846.53,2340
NetLED1_2: LED1.2 R10.1 | length 91.5
  Top Layer w20: R10.1@4318.95,351.53 4345.63,378.21 LED1.2@4345.63,432
NetLED2_2: LED2.2 R14.1 | length 89.7
  Top Layer w20: R14.1@4318.95,197.25 4345.63,223.93 LED2.2@4345.63,275.89
NetLED3_2: LED3.2 R27.1 | length 88.3
  Top Layer w20: LED3.2@4269.25,136.7 4319,86.95 R27.1@4319,69
NetLED_POWER_1: LED_POWER.1 R65.2 | length 86.1
  Top Layer w20: LED_POWER.1@1018.76,58.48 1104.11,58.48 R65.2@1104.62,58.99
NetP4_2: P4.2 R12.1 | length 1526.5
  Top Layer w10: R12.1@4311.38,1242.38 4348.67,1242.38 4640,1533.71 4640,1897.48 4960.36,2217.85 P4.2@5220.74,2217.85
NetP4_3: P4.3 R9.2 | length 1940.4
  Top Layer w10: R9.2@4312.09,1180.48 4390.46,1180.48 4660.51,1450.53 4660.51,1841.55 4775.31,1956.34 5240.98,1956.34 5317.03,2032.39 5317.03,2268.17 5267.35,2317.85 P4.3@5219.8,2317.85
NetR1_1: R1.1 R55.2 | length 113.8
  Top Layer w15: R55.2@1923.36,1857.51 R1.1@1998.48,1932.63
  Top Layer w20: R1.1@1998.48,1932.63 R1.1@1998.48,1940.22
NetR2_1: R2.1 R59.2 | length 116.5
  Top Layer w15: R59.2@2946.76,1875.86 R2.1@3029.1,1958.2
NetR3_1: R3.1 R61.2 | length 90.9
  Top Layer w20: R61.2@4117,1874.6 R3.1@4117,1965.48
NetR18_2: R18.2 U3.3 | length 242
  Top Layer w50: R18.2@1206.56,679.32 1206.56,684.32 1211.56,684.32 1228.79,701.55 1414.45,701.55 1430,686
NetR34_1: R34.1 U4.7 | length 184.8
  Top Layer w20: R34.1@632.97,1170.03 U4.7@817.79,1170.03
NetR74_2: R74.2 R75.1 | length 68.7
  Top Layer w10: R74.2@376.29,1421.96 R75.1@445,1421.96
NRST: P2.23
OC: P2.4
P0.0: P2.22
P0.4: P1.27
P0.14: P1.11
P1.3: P1.24
P1.10: P1.19
P1.11: P1.18
P2.1: P2.18
P2.2: P2.5
P2.7: P1.9
P2.10: P2.17
P3.2: P2.25